# Altium PCB Calipso V2.0 REV2.0.PcbDoc (part 3 of 4)
Units mm, origin at the board's own origin, x right, y up, seen from the top; angles counter-clockwise.
Board outline 192.5 x 156.5 mm, 2 copper layers (Top Layer, Bottom Layer); 388 components, 320 nets, 1294 pads, 1742 vias.
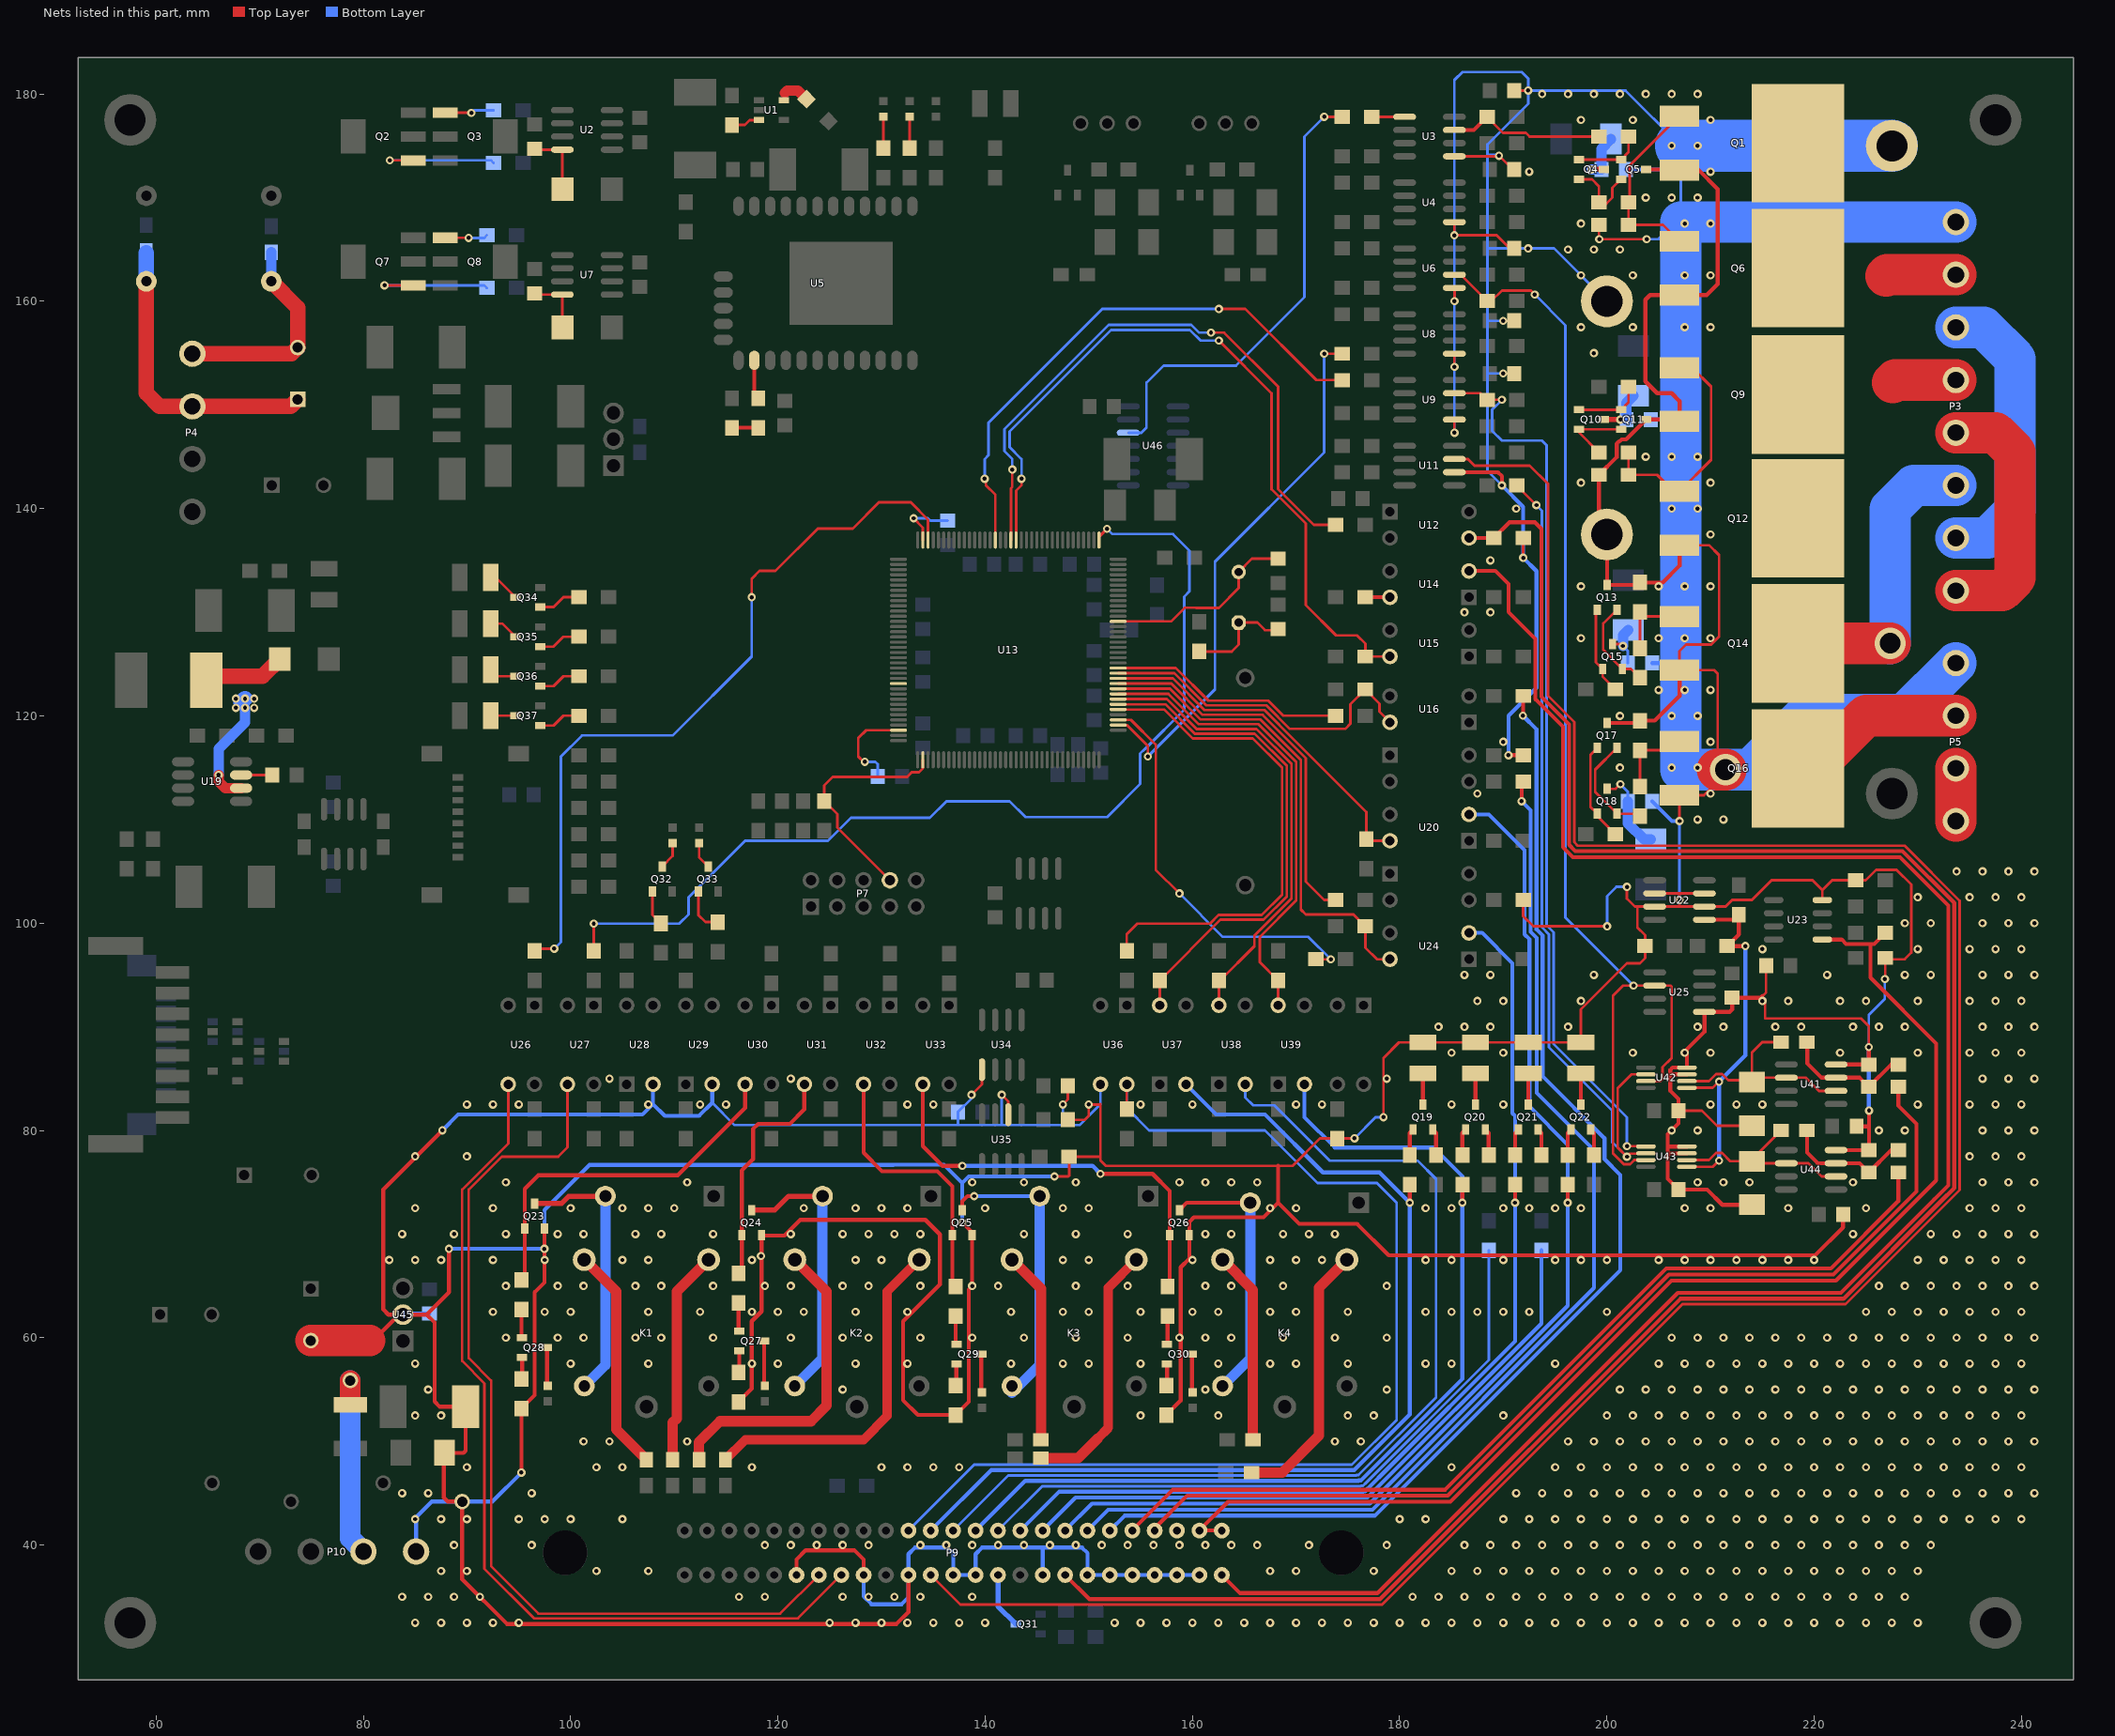
[diagram p3: the nets of this part, all layers, seen from the top]

## Via types
v1: diameter 0.8, hole 0.4, Top Layer to Bottom Layer, tented both sides, 1713 vias
v2: diameter 0.8, hole 0.4, Top Layer to Bottom Layer, 22 vias
v3: diameter 1.5, hole 1, Top Layer to Bottom Layer, 5 vias
v4: diameter 3, hole 2, Top Layer to Bottom Layer, 2 vias

## Nets (pads, with @x,y where several pads share a name; then routed paths per layer and width w, separated by ;. In a path a pad name is that pad's centre, name@x,y a point inside that pad or via, vN(x,y) a via of type N, cw(c..) or ccw(c..) an arc to the next point about the centre after c; other vN are vias at no path point) (continued)
IGND: C1.1 C7.1 C8.1 C11.1 C14.1 C29.2 C30.2 C31.2 C32.2 C33.2 C35.1 C36.1 C37.1 C38.1 C40.2 C41.2 C42.2 C43.2 C53.2 C61.2 C62.1 D13.2 D14.2 D20.2 LED3.1 LED4.1 LED5.1 LED6.1 P3.8 P5.4 P9.31 P9.34 P9.36 P9.38 P9.39 P9.42 P9.44 P9.45 P9.46 P9.47 P9.48 P9.49 P10.4 pad.H@200,137.5 pad.H@200,160 pad.H@227.5,175 Q1.3 Q5.3 Q6.3 Q9.3 Q11.3 Q12.3 Q13.3 Q14.3 Q16.3 Q17.3 Q23.2 Q24.2 Q25.2 Q26.2 R18.1 R36.1 R39.1 R42.1 R50.1 R53.1 R59.1 R76.2 R81.1 R85.1 R101.1 R104.2 R120.1 R121.2 R135.1 R136.1 R137.1 R138.1 RU2.1 U3.5 U4.5 U6.5 U8.5 U9.5 U11.2 U22.2 U22.3 U22.6 U22.7 U23.4 U25.5 U28.2 U29.2 U34.5 U35.2 U36.3 U41.4 U42.3 U42.4 U43.3 U43.4 U44.4 U45.2 | length 1258.3
  Top Layer w0.254: v1(138.684,83.439) 139.7,84.455 U34.5@139.7,85.865 ; v1(141.605,83.439) 142.24,82.804 U35.2@142.24,81.521 ; v1(146.685,75.565) 148.035,75.565 148.11,75.64 R50.1@148.11,77.47 151.13,77.47 ; v1(147.5,82.5) 147.987,82.987 C29.2@147.987,84.328 ; C31.2@147.987,81.026 149.606,81.026 150,81.42 v1(150,82.5) 151.08,82.5 151.13,82.55 151.13,77.47 ; v1(175.641,79.248) 175.613,79.22 R120.1@173.99,79.22 172.311,79.22 169.672,76.581 168.275,76.581 151.638,76.581 151.13,77.089 151.13,77.47 ; v1(178.435,81.28) 178.435,86.995 179.935,88.495 LED3.1@182.245,88.495 LED4.1@187.325,88.495 LED5.1@192.405,88.495 LED6.1@197.485,88.495 197.485,91.694 201.93,96.139 203.2,96.139 203.68,96.619 R85.1@203.68,97.79 203.68,98.834 202.946,99.568 202.946,101.6 ; U9.5@185.28,148.59 185.28,147.333 v1(185.293,147.32) ; U8.5@185.28,154.94 185.28,153.683 v1(185.293,153.67) ; U6.5@185.28,161.29 185.293,161.277 v1(185.293,160.02) ; U4.5@185.28,167.64 v1(185.28,166.37) 189.357,166.37 C8.1@190.627,165.1 ; U3.5@185.28,173.99 189.534,173.99 v1(189.589,174.045) 190.914,172.72 C7.1@191.04,172.72 ; C1.1@191.04,180.34 v1(192.405,180.34) ; R81.1@191.925,102.235 191.925,100.683 192.913,99.695 v1(200.025,99.695) ; v1(191.925,135.255) R39.1@191.925,137.16 ; R18.1@199.235,167.386 199.235,166.017 v1(199.263,165.989) v1(203.835,165.989) ; v1(201.93,103.505) 201.93,102.362 202.692,101.6 202.946,101.6 ; U22.6@204.61,102.87 207.01,102.87 ; C35.1@206.915,81.915 209.169,81.915 210.634,80.45 D13.2@213.995,80.45 ; v1(207.01,109.855) Q16.3@207.01,112.34 209.368,112.34 v4@210.693,113.665 ; Q12.3@207.01,136.47 209.859,136.47 210.82,135.509 210.82,127.635 210.058,126.873 207.645,126.873 207.01,126.238 Q14.3@207.01,124.405 210.367,124.405 210.693,124.079 v4@210.693,114.808 ; U22.3@209.41,102.87 207.01,102.87 ; C32.2@215.36,95.885 215.36,93.313 214.979,92.932 215.265,92.646 215.265,90.805 224.536,90.805 225.27,90.071 v1(225.27,88.039) ; U23.4@220.79,102.235 220.79,103.188 ; v1(226.822,94.615) 226.85,94.643 226.85,96.52 228.727,96.52 229.362,97.155 229.362,103.731 227.951,105.142 225.965,105.142 224.963,104.14 R76.2@224,104.14 221.742,104.14 220.79,103.188 ; 202.946,101.6 U22.7@204.61,101.6 207.01,101.6 ; 207.01,101.6 v1(207.01,102.235) 207.01,102.87 ; 207.01,101.6 U22.2@209.41,101.6 211.455,101.6 212.09,102.235 213.995,102.235 215.9,104.14 219.838,104.14 220.79,103.188
  Top Layer w0.384: 80.645,59.73 80.939,59.73 U45.2@83.439,62.23 ; v1(87.63,80.01) 81.915,74.295 81.915,62.738 82.423,62.23 U45.2@83.439,62.23 ; v1(88.265,68.58) 88.265,64.389 86.106,62.23 ; v1(95.25,46.99) R136.1@95.25,53.185 96.52,54.455 96.52,64.389 97.47,65.339 v1(97.47,68.58) Q23.2@97.47,70.555 ; R135.1@116.205,53.82 117.475,55.09 117.475,61.595 118.425,62.545 v1@118.425,67.945 ; v1(118.364,67.884) v1@118.425,67.945 ; P9.31@121.798,37.112 121.798,38.613 122.682,39.497 127.381,39.497 128.278,38.6 P9.34@128.278,37.112 ; P9.36@132.598,37.112 132.598,33.538 131.445,32.385 93.853,32.385 89.535,36.703 RU2.1@89.535,44.196 88.138,44.196 87.757,44.577 87.757,48.827 D20.2@87.825,48.895 89.662,48.895 89.86,49.093 C41.2@89.86,53.34 87.376,53.34 86.868,53.848 86.868,61.468 86.106,62.23 ; v1(137.795,71.12) 138.745,70.17 Q25.2@138.745,69.92 138.745,64.958 138.43,64.643 138.43,53.82 R137.1@137.16,52.55 133.505,52.55 132.08,53.975 132.08,61.595 135.636,65.151 135.636,69.977 134.239,71.374 122.174,71.374 120.65,69.85 118.495,69.85 Q24.2@118.425,69.92 v1@118.425,67.945 ; R138.1@157.48,52.55 158.877,53.947 158.877,66.802 159.7,67.625 Q26.2@159.7,69.92 159.7,71.181 160.147,71.628 166.878,71.628 168.275,73.025 ; 168.275,76.581 168.275,73.025 ; U11.2@185.28,143.51 189.484,143.51 189.865,143.129 v1(189.865,142.24) ; v1(190.5,116.205) R59.1@191.925,116.205 ; Q17.3@200.025,119.31 202.975,119.31 R53.1@203.2,119.535 204.625,119.535 207.01,121.92 Q14.3@207.01,124.405 ; Q5.3@203.765,172.72 206.955,172.72 Q1.3@207.01,172.665 208.843,172.665 210.693,170.815 210.693,161.671 209.622,160.6 Q6.3@207.01,160.6 204.161,160.6 203.708,160.147 203.708,152.273 204.851,151.13 206.248,151.13 207.01,150.368 Q9.3@207.01,148.408 206.828,148.59 Q11.3@203.765,148.59 201.86,146.685 201.422,146.685 201.219,146.482 201.173,146.482 200.943,146.252 200.943,144.964 R36.1@199.235,143.256 199.235,138.331 200.025,137.541 Q13.3@200.025,132.645 202.975,132.645 R42.1@203.2,132.87 205.387,132.87 207.01,134.493 Q12.3@207.01,136.47 ; U43.3@207.715,77.795 205.923,77.795 205.867,77.851 ; U43.4@207.715,78.445 205.953,78.445 205.867,78.359 ; U42.3@207.715,85.415 206.192,85.415 206.121,85.344 ; D14.2@213.995,72.83 211.142,72.83 209.677,74.295 C37.1@206.915,74.295 205.867,75.343 205.867,77.851 ; 214.979,92.932 214.852,92.805 C33.2@212.09,92.805 212.09,91.694 211.836,91.44 U25.5@209.41,91.44 209.41,89.522 207.715,87.827 U42.4@207.715,86.065 206.334,86.065 206.121,85.852 206.121,85.344 ; U44.4@222.11,78.105 R121.2@225.27,78.105 225.298,78.133 v1(225.298,81.915) ; U41.4@222.11,86.36 R104.2@225.27,86.36 v1(225.27,88.039) ; C38.1@222.79,72.39 222.79,70.644 220.091,67.945 178.943,67.945 175.895,70.993 170.307,70.993 168.275,73.025 ; C36.1@224.092,80.391 225.298,80.391 ; U45.2@83.439,62.23 U45.2@83.82,62.23 86.106,62.23 ; 205.867,77.851 205.867,78.359 ; 205.867,78.359 205.867,79.629 206.915,80.677 C35.1@206.915,81.915 206.915,83.026 206.121,83.82 206.121,85.344
  Top Layer w3: C40.2@74.93,59.73 80.645,59.73
  Top Layer w4: v4@210.693,114.808 v4(211.455,114.808)
  Bottom Layer w0.254: 113.665,82.677 115.824,80.518 137.414,80.518 ; v1(138.684,83.439) 138.684,83.09 C30.2@137.382,81.788 137.382,80.55 137.414,80.518 ; v1(141.605,83.439) 141.605,80.518 ; v1(147.5,82.5) 147.5,80.592 147.574,80.518 ; U36.3@151.13,84.455 151.13,82.55 149.098,80.518 147.574,80.518 ; v1(175.641,79.248) 177.673,81.28 v1(178.435,81.28) ; v1(185.293,147.32) 185.28,147.333 v1(185.28,166.37) 185.28,181.343 186.055,182.118 191.77,182.118 192.405,181.483 v1(192.405,180.34) ; v1(189.589,174.045) 189.517,174.117 188.468,174.117 ; v1(189.865,142.24) 188.468,143.637 188.468,153.035 ; v1(189.992,153.035) 188.468,153.035 ; v1(189.992,158.115) 188.468,158.115 ; pad.H@200,160 194.9,165.1 v1(192.405,165.1) 188.468,165.1 ; v1(200.025,99.695) 200.025,102.616 200.914,103.505 v1(201.93,103.505) ; v1(203.835,165.989) 204.978,165.989 206.629,167.64 ; v1(207.01,102.235) v1(207.01,109.855) ; 207.137,168.148 207.137,172.72 207.137,175.006 201.803,180.34 v1(192.405,180.34) ; v1(225.27,88.039) 225.27,91.158 226.822,92.71 v1(226.822,94.615) ; 137.414,80.518 141.605,80.518 ; 141.605,80.518 147.574,80.518 ; 188.468,153.035 188.468,158.115 ; 188.468,158.115 188.468,165.1 ; 188.468,165.1 188.468,174.117 ; 188.468,174.117 188.468,175.133 192.405,179.07 v1(192.405,180.34)
  Bottom Layer w0.384: U45.2@83.82,62.23 83.915,62.325 C62.1@86.36,62.325 ; P10.4@85.09,39.37 85.09,42.672 86.614,44.196 RU2.1@89.535,44.196 92.456,44.196 v1(95.25,46.99) ; v1(87.63,80.01) 89.154,81.534 106.932,81.534 107.949,82.551 ; v1(88.265,68.58) v1(97.47,68.58) 97.47,72.324 101.824,76.678 131.138,76.678 131.168,76.708 136.017,76.708 137.795,74.93 ; U28.2@107.949,84.455 107.949,82.551 ; U29.2@113.665,84.455 113.665,82.677 112.395,81.407 109.093,81.407 107.949,82.551 ; P9.34@128.278,37.112 128.278,35.044 129.032,34.29 131.953,34.29 132.598,34.935 P9.36@132.598,37.112 132.598,39.126 133.223,39.751 136.398,39.751 136.918,39.231 P9.38@136.918,37.112 P9.39@139.078,37.112 139.078,39.129 139.7,39.751 145.542,39.751 ; v1(137.795,71.12) 137.795,74.93 ; P9.42@145.558,37.112 145.558,39.735 145.542,39.751 ; v1(146.685,75.565) 138.43,75.565 137.795,74.93 ; P9.49@160.678,37.112 P9.48@158.518,37.112 P9.47@156.358,37.112 P9.46@154.198,37.112 P9.45@152.038,37.112 P9.44@149.878,37.112 149.878,39.225 149.352,39.751 145.542,39.751 ; v1(189.865,142.24) 191.925,140.18 v1(191.925,135.255) 193.211,133.969 193.211,122.726 190.5,120.015 v1(190.5,116.205) ; C42.2@201.835,172.72 207.137,172.72 ; C43.2@204.248,148.59 207.01,148.59 207.137,148.463 ; C53.2@204.375,111.76 206.28,109.855 v1(207.01,109.855) ; C61.2@204.375,125.095 207.137,125.095 ; v1(225.27,88.039) 225.27,81.943 v1(225.298,81.915)
  Bottom Layer w4: P5.4@233.68,125.095 228.727,120.142 219.202,120.142 213.868,114.808 v4(211.455,114.808) 207.137,114.808 207.137,125.095 207.137,148.463 207.137,167.64 P3.8@233.68,167.64
  Bottom Layer w5: 207.137,175.006 207.143,175 pad.H@227.5,175
  other v1: 85,32.5 87.5,32.5 90,32.5 92.5,32.5 95,32.5 125,32.5 127.5,32.5 130,32.5 132.5,32.5 135,32.5 137.5,32.5 140,32.5 152.5,32.5 155,32.5 157.5,32.5 160,32.5 162.5,32.5 165,32.5 167.5,32.5 170,32.5 172.5,32.5 175,32.5 177.5,32.5 180,32.5 182.5,32.5 185,32.5 187.5,32.5 190,32.5 192.5,32.5 195,32.5 197.5,32.5 200,32.5 202.5,32.5 205,32.5 207.5,32.5 210,32.5 212.5,32.5 215,32.5 217.5,32.5 220,32.5 222.5,32.5 225,32.5 227.5,32.5 230,32.5 83.75,35 86.25,35 88.75,35 91.25,35 116.25,35 118.75,35 126.25,35 128.75,35 131.25,35 133.75,35 138.75,35 181.25,35 183.75,35 186.25,35 188.75,35 191.25,35 193.75,35 196.25,35 198.75,35 201.25,35 203.75,35 206.25,35 208.75,35 211.25,35 213.75,35 216.25,35 218.75,35 221.25,35 223.75,35 226.25,35 228.75,35 87.5,37.5 90,37.5 102.5,37.5 107.5,37.5 167.5,37.5 170,37.5 177.5,37.5 185,37.5 187.5,37.5 190,37.5 192.5,37.5 195,37.5 197.5,37.5 200,37.5 202.5,37.5 205,37.5 207.5,37.5 210,37.5 212.5,37.5 215,37.5 217.5,37.5 220,37.5 222.5,37.5 225,37.5 227.5,37.5 230,37.5 88.75,40 96.25,40 118.75,40 121.25,40 123.75,40 126.25,40 128.75,40 133.75,40 136.25,40 138.75,40 141.25,40 143.75,40 146.25,40 148.75,40 151.25,40 153.75,40 156.25,40 158.75,40 161.25,40 163.75,40 166.25,40 171.25,40 178.75,40 186.25,40 188.75,40 191.25,40 193.75,40 196.25,40 198.75,40 201.25,40 203.75,40 206.25,40 208.75,40 211.25,40 213.75,40 216.25,40 218.75,40 221.25,40 223.75,40 226.25,40 228.75,40 231.25,40 85,42.5 87.5,42.5 90,42.5 95,42.5 97.5,42.5 100,42.5 105,42.5 180,42.5 182.5,42.5 190,42.5 192.5,42.5 195,42.5 197.5,42.5 200,42.5 202.5,42.5 205,42.5 207.5,42.5 210,42.5 212.5,42.5 215,42.5 217.5,42.5 220,42.5 222.5,42.5 225,42.5 227.5,42.5 230,42.5 232.5,42.5 235,42.5 237.5,42.5 240,42.5 83.75,45 86.25,45 96.25,45 191.25,45 193.75,45 196.25,45 198.75,45 201.25,45 203.75,45 206.25,45 208.75,45 211.25,45 213.75,45 216.25,45 218.75,45 221.25,45 223.75,45 226.25,45 228.75,45 231.25,45 233.75,45 236.25,45 238.75,45 241.25,45 90,47.5 102.5,47.5 105,47.5 117.5,47.5 130,47.5 132.5,47.5 135,47.5 137.5,47.5 185,47.5 195,47.5 197.5,47.5 200,47.5 202.5,47.5 205,47.5 207.5,47.5 210,47.5 212.5,47.5 215,47.5 217.5,47.5 220,47.5 222.5,47.5 225,47.5 227.5,47.5 230,47.5 232.5,47.5 235,47.5 237.5,47.5 240,47.5 101.25,50 103.75,50 111.25,50 173.75,50 176.25,50 196.25,50 198.75,50 201.25,50 203.75,50 206.25,50 208.75,50 211.25,50 213.75,50 216.25,50 218.75,50 221.25,50 223.75,50 226.25,50 228.75,50 231.25,50 233.75,50 236.25,50 238.75,50 241.25,50 85,52.5 87.5,52.5 155,52.5 162.5,52.5 175,52.5 177.5,52.5 190,52.5 200,52.5 202.5,52.5 205,52.5 207.5,52.5 210,52.5 212.5,52.5 215,52.5 217.5,52.5 220,52.5 222.5,52.5 225,52.5 227.5,52.5 230,52.5 232.5,52.5 235,52.5 237.5,52.5 240,52.5 86.25,55 126.25,55 161.25,55 178.75,55 201.25,55 203.75,55 206.25,55 208.75,55 211.25,55 213.75,55 216.25,55 218.75,55 221.25,55 223.75,55 226.25,55 228.75,55 231.25,55 233.75,55 236.25,55 238.75,55 241.25,55 85,57.5 100,57.5 107.5,57.5 117.5,57.5 120,57.5 127.5,57.5 132.5,57.5 142.5,57.5 147.5,57.5 150,57.5 155,57.5 162.5,57.5 167.5,57.5 170,57.5 175,57.5 182.5,57.5 185,57.5 195,57.5 205,57.5 207.5,57.5 210,57.5 212.5,57.5 215,57.5 217.5,57.5 220,57.5 222.5,57.5 225,57.5 227.5,57.5 230,57.5 232.5,57.5 235,57.5 237.5,57.5 240,57.5 93.75,60 98.75,60 101.25,60 106.25,60 108.75,60 113.75,60 121.25,60 126.25,60 128.75,60 133.75,60 138.75,60 143.75,60 148.75,60 153.75,60 158.75,60 161.25,60 163.75,60 168.75,60 173.75,60 178.75,60 206.25,60 208.75,60 211.25,60 213.75,60 216.25,60 218.75,60 221.25,60 223.75,60 226.25,60 228.75,60 231.25,60 233.75,60 236.25,60 238.75,60 241.25,60 92.5,62.5 97.5,62.5 100,62.5 107.5,62.5 112.5,62.5 117.5,62.5 120,62.5 122.5,62.5 127.5,62.5 132.5,62.5 142.5,62.5 147.5,62.5 150,62.5 155,62.5 160,62.5 162.5,62.5 167.5,62.5 170,62.5 175,62.5 182.5,62.5 185,62.5 187.5,62.5 190,62.5 192.5,62.5 200,62.5 225,62.5 227.5,62.5 230,62.5 232.5,62.5 235,62.5 237.5,62.5 240,62.5 93.75,65 98.75,65 101.25,65 106.25,65 108.75,65 113.75,65 118.75,65 121.25,65 126.25,65 128.75,65 133.75,65 138.75,65 141.25,65 148.75,65 153.75,65 161.25,65 163.75,65 168.75,65 178.75,65 226.25,65 228.75,65 231.25,65 233.75,65 236.25,65 238.75,65 241.25,65 82.5,67.5 85,67.5 87.5,67.5 92.5,67.5 97.5,67.5 105,67.5 107.5,67.5 117.5,67.5 127.5,67.5 130,67.5 147.5,67.5 150,67.5 160,67.5 167.5,67.5 170,67.5 172.5,67.5 182.5,67.5 185,67.5 190,67.5 195,67.5 197.5,67.5 200,67.5 205,67.5 207.5,67.5 210,67.5 212.5,67.5 215,67.5 217.5,67.5 220,67.5 230,67.5 232.5,67.5 235,67.5 237.5,67.5 240,67.5 83.75,70 88.75,70 93.75,70 98.75,70 101.25,70 106.25,70 108.75,70 113.75,70 121.25,70 126.25,70 128.75,70 131.25,70 133.75,70 143.75,70 148.75,70 153.75,70 161.25,70 163.75,70 168.75,70 171.25,70 173.75,70 223.75,70 231.25,70 233.75,70 236.25,70 238.75,70 241.25,70 85,72.5 92.5,72.5 100,72.5 105,72.5 107.5,72.5 110,72.5 122.5,72.5 127.5,72.5 130,72.5 132.5,72.5 140,72.5 147.5,72.5 150,72.5 167.5,72.5 170,72.5 182.5,72.5 185,72.5 190,72.5 192.5,72.5 195,72.5 197.5,72.5 207.5,72.5 210,72.5 217.5,72.5 225,72.5 235,72.5 237.5,72.5 240,72.5 93.75,75 111.25,75 138.75,75 143.75,75 148.75,75 158.75,75 161.25,75 163.75,75 166.25,75 208.75,75 211.25,75 213.75,75 223.75,75 236.25,75 238.75,75 241.25,75 85,77.5 90,77.5 235,77.5 237.5,77.5 240,77.5 206.25,80 208.75,80 226.25,80 228.75,80 236.25,80 238.75,80 241.25,80 90,82.5 92.5,82.5 95,82.5 107.5,82.5 112.5,82.5 115,82.5 132.5,82.5 135,82.5 155,82.5 160,82.5 170,82.5 172.5,82.5 185,82.5 190,82.5 210,82.5 212.5,82.5 215,82.5 230,82.5 235,82.5 237.5,82.5 240,82.5 103.75,85 121.25,85 178.75,85 236.25,85 238.75,85 241.25,85 185,87.5 190,87.5 202.5,87.5 207.5,87.5 210,87.5 222.5,87.5 230,87.5 235,87.5 237.5,87.5 240,87.5 183.75,90 186.25,90 188.75,90 196.25,90 208.75,90 211.25,90 216.25,90 218.75,90 223.75,90 226.25,90 228.75,90 236.25,90 238.75,90 241.25,90 187.5,92.5 190,92.5 197.5,92.5 215,92.5 217.5,92.5 222.5,92.5 225,92.5 230,92.5 235,92.5 237.5,92.5 240,92.5 186.25,95 188.75,95 198.75,95 221.25,95 228.75,95 231.25,95 236.25,95 238.75,95 241.25,95 215,97.5 230,97.5 235,97.5 237.5,97.5 240,97.5 228.75,100 231.25,100 236.25,100 238.75,100 241.25,100 230,102.5 235,102.5 237.5,102.5 240,102.5 233.75,105 236.25,105 238.75,105 241.25,105 208.75,110 211.25,110 187.5,112.5 210,112.5 201.25,115 206.25,115 208.75,115 190,117.5 210,117.5 201.25,120 206.25,120 208.75,120 205,122.5 207.5,122.5 210,122.5 197.5,127.5 205,127.5 207.5,127.5 210,127.5 186.25,130 188.75,130 197.5,132.5 205,132.5 207.5,132.5 210,132.5 188.75,135 210,137.5 191.25,140 206.25,140 208.75,140 197.5,142.5 210,142.5 203.75,145 206.25,145 208.75,145 198.75,155 197.5,157.5 202.5,157.5 207.5,157.5 210,157.5 197.5,162.5 202.5,162.5 207.5,162.5 210,162.5 196.25,165 198.75,165 201.25,165 197.5,167.5 207.5,167.5 210,167.5 203.75,170 206.25,170 208.75,170 192.5,172.5 210,172.5 206.25,175 208.75,175 197.5,177.5 202.5,177.5 210,177.5 193.75,180 196.25,180 198.75,180 201.25,180 203.75,180 206.25,180 208.75,180
IM_CSN: R26.2 U13.57 | length 53.4
  Top Layer w0.254: v1(139.954,142.875) 140.081,142.748 140.081,142.24 140.99,141.331 U13.57@140.99,136.965 ; v1(162.56,159.258) 165.1,159.258 171.958,152.4 R26.2@174.47,152.4
  Bottom Layer w0.254: v1(139.954,142.875) 139.954,144.78 140.335,145.161 140.335,148.289 151.304,159.258 v1(162.56,159.258)
IMON_NCS: R29.1 U9.7 U43.5 | length 86.8
  Top Layer w0.254: U9.7@185.28,151.13 187.805,151.13 R29.1@188.44,150.495 v1(189.865,150.495) ; v1(201.93,78.486) 203.724,78.486 U43.5@203.765,78.445
  Bottom Layer w0.254: v1(189.865,150.495) 188.922,149.552 188.922,147.501 189.865,146.558 193.73,146.558 194.184,146.104 194.184,99.793 194.872,99.105 194.872,88.338 201.93,81.28 v1(201.93,78.486)
LAS_EN: R38.2 U13.54 | length 61
  Top Layer w0.254: U13.54@142.49,136.965 142.49,141.959 142.621,142.09 v1(142.621,143.764) ; v1(161.798,156.972) 163.068,156.972 168.275,151.765 168.275,141.866 171.711,138.43 R38.2@173.835,138.43
  Bottom Layer w0.254: v1(142.621,143.764) 142.621,144.78 141.859,145.542 141.859,147.657 151.936,157.734 159.9,157.734 160.662,156.972 v1(161.798,156.972)
LAS_FLT: R47.1 U13.53 U15.4 | length 75.7
  Top Layer w0.254: U13.53@142.99,136.965 142.99,141.732 143.51,142.252 v1(143.51,142.875) ; v1(162.56,156.21) 167.64,151.13 167.64,141.859 170.942,138.557 170.942,130.683 173.863,127.762 175.895,127.762 176.685,126.972 R47.1@176.685,125.73 U15.4@179.07,125.73
  Bottom Layer w0.254: v1(143.51,142.875) 143.51,144.78 142.367,145.923 142.367,147.447 152.146,157.226 159.766,157.226 160.782,156.21 v1(162.56,156.21)
LAS_LOCK: R43.1 U14.4 | length 2.4
  Top Layer w0.384: R43.1@176.685,131.445 U14.4@179.07,131.445
LASER_ENABLE: P9.43 R39.2 U12.3 | length 209.7
  Top Layer w0.384: P9.43@147.718,37.112 150.057,34.773 178.094,34.773 207.076,63.755 222.824,63.755 232.206,73.137 233.527,74.458 233.527,76.07 233.527,101.952 228.52,106.959 196.97,106.959 196.953,106.959 196.342,107.57 196.342,119.19 195.58,119.952 193.675,121.857 193.675,138.049 193.04,138.684 190.599,138.684 R39.2@189.075,137.16 U12.3@186.69,137.16